# Altium PCB HallFM2_0.PcbDoc (part 2 of 2)
Units mm, origin at the board's own origin, x right, y up, seen from the top; angles counter-clockwise.
Board outline 120.05 x 92 mm, 4 copper layers (Top Layer, Signal Layer 1, Signal Layer 2, Bottom Layer), stack 0.971 mm thick; 216 components, 161 nets, 831 pads, 208 vias.
Unrouted connection lines stored in the file: 262.
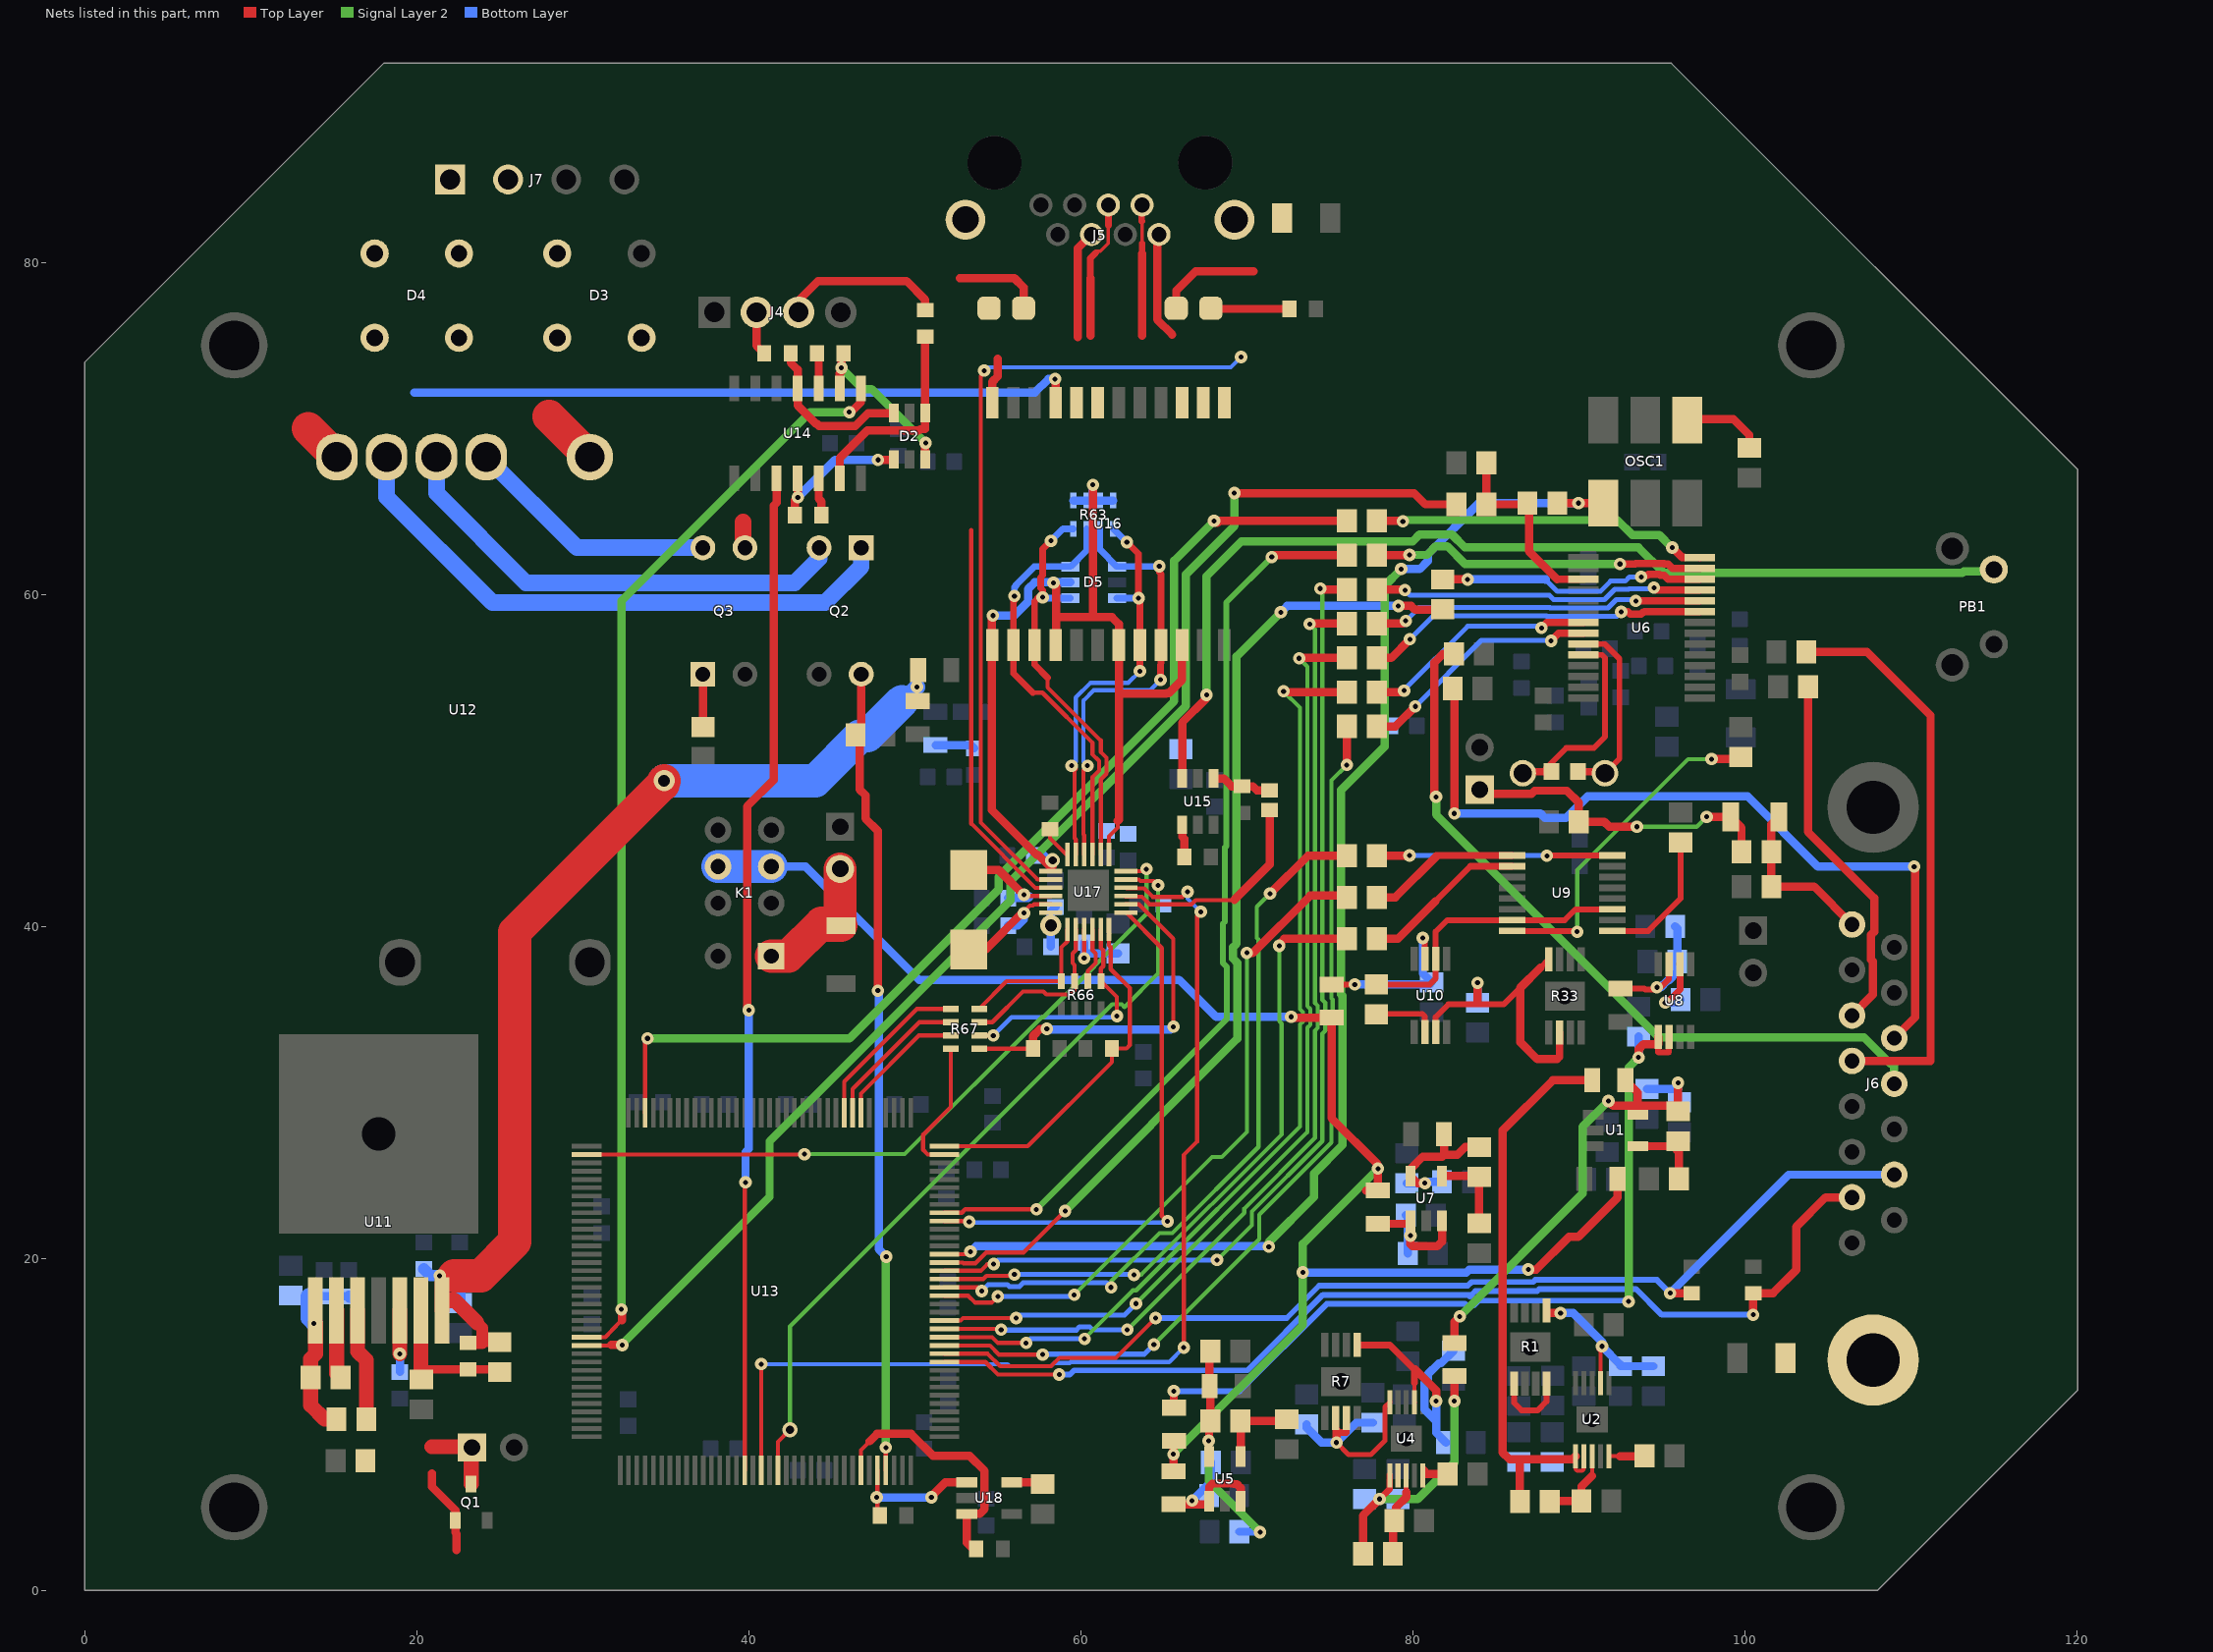
[diagram p3: the nets of this part, all layers, seen from the top]

## Via types
v1: diameter 0.75, hole 0.3, Top Layer to Bottom Layer, 199 vias
v2: diameter 0.9, hole 0.5, Top Layer to Bottom Layer, 7 vias
v3: diameter 1.27, hole 0.711, Top Layer to Bottom Layer, 2 vias

## Nets (pads, with @x,y where several pads share a name; then routed paths per layer and width w, separated by ;. In a path a pad name is that pad's centre, name@x,y a point inside that pad or via, vN(x,y) a via of type N, cw(c..) or ccw(c..) an arc to the next point about the centre after c; other vN are vias at no path point) (continued)
NetC6_2: C6.2 C7.2 L2.1 L4.1 R2.2 U1.5 | length 28.3
  Top Layer w0.5: L4.1@82.5,14.9 82.5,16.175 v1(82.825,16.5) ; v1(91.779,29.476) 92.055,29.2 93.555,29.2 ; L2.1@92.805,30.73 93.555,29.98 93.555,29.2 ; v1(95.975,30.575) 95.98,30.57 R2.2@95.98,28.855 95.635,29.2 93.555,29.2
  Signal Layer 2 w0.5: v1(82.825,16.5) 90.225,23.9 90.225,27.925 91.776,29.476 v1(91.779,29.476)
  Bottom Layer w0.5: C6.2@94.1,30.2 95.95,30.2 95.975,30.175
NetC9_2: C9.2 C10.2 L2.2 R3.1 U2.1 U2.2 | length 35.4
  Top Layer w0.25: U2.1@89.805,8.08 89.805,7.305 89.8,7.3 89.9,7.2 90.2,7.2 90.305,7.305 U2.2@90.305,8.08
  Top Layer w0.5: R3.1@86.455,5.355 86.455,7.855 86.5,7.9 ; U2.1@89.805,8.08 89.625,7.9 86.5,7.9 ; L2.2@90.805,30.73 88.43,30.73 85.405,27.705 85.405,8.305 85.81,7.9 86.5,7.9
NetC11_2: C11.2 C12.2 R1.1 U2.7 | length 10.4
  Top Layer w0.25: R1.1@88.055,16.855 R1.1@88.21,16.7 ; U2.7@91.305,12.48 91.305,14.395 91.2,14.5 v1(91.4,14.7)
  Top Layer w0.5: R1.1@88.21,16.7 v1(88.9,16.7)
  Bottom Layer w0.5: v1(88.9,16.7) 89.667,16.7 91.4,14.967 v1(91.4,14.7) 92.5,13.6 C12.2@92.5,13.5 C11.2@94.5,13.5
NetC13_1: C13.1 C14.1 R7.6 R7.7 U4.10 | length 13.3
  Top Layer w0.3: v1(75.4,8.9) 76.125,8.175 77.475,8.175 78.315,9.015 78.315,11.04 U4.10@78.605,11.33
  Top Layer w0.4: 75.4,9.6 75.495,9.505 76.005,9.505 R7.7@76.005,10.38
  Top Layer w0.5: v1(75.4,8.9) 75.4,9.6
  Bottom Layer w0.5: C13.1@73.6,10 73.6,9.8 74.5,8.9 v1(75.4,8.9) 76.6,10.1 C14.1@77.6,10.1
NetC16_2: 
NetC18_2: 
NetC21_2: C21.2 C22.2 L4.2 R9.1 U4.1 U4.2 | length 17.1
  Top Layer w0.4: v1(78,5.5) 78.605,6.105 U4.1@78.605,6.93
  Top Layer w0.5: R9.1@77,2.2 77,4.5 v1(78,5.5) ; v1(82.5,11.4) L4.2@82.5,12.9
  Signal Layer 2 w0.5: v1(78,5.5) 80.3,5.5 82.5,7.7 v1(82.5,11.4)
  Bottom Layer w0.5: v1(78,5.5) C21.2@79.1,5.5
NetC23_2: C23.2 C24.2 R7.1 U4.7 | length 16.6
  Top Layer w0.25: 80.1,12.5 80.1,11.335 U4.7@80.105,11.33
  Top Layer w0.4: R7.1@76.655,14.78 78.62,14.78 80.1,13.3 80.1,12.5
  Top Layer w0.5: 80.1,13.3 80.146,13.3 81.4,12.046 v1(81.4,11.4)
  Bottom Layer w0.5: v1(81.4,11.4) 81.4,10.2 ; C23.2@82,8.9 81.4,9.5 81.4,10.2 ; C24.2@82.455,14.43 81.705,13.68 81.569,13.68 80.9,13.011 80.9,12.7 80.7,12.5 80.7,10.9 81.4,10.2
NetC27_2: C27.2 C28.2 L5.2 U5.1 U5.3 | length 8.8
  Top Layer w0.5: L5.2@65.58,5.18 67.555,5.18 U5.1@67.73,5.355 67.73,6.23 67.93,6.43 69.166,6.43 69.196,6.4 69.4,6.4 69.63,6.17 U5.3@69.63,5.355
  Bottom Layer w0.5: v1(66.7,5.4) 67.83,6.53 C28.2@67.83,7.705
NetC29_2: C29.2 C30.2 L6.1 R12.2 U5.5 | length 13.9
  Top Layer w0.5: v1@67.73,9 67.73,10.13 R12.2@67.805,10.205 67.805,12.252 L6.1@67.755,12.302 67.755,14.245 67.6,14.4 C30.2@67.805,14.4 C30.2@67.825,14.42
  Signal Layer 2 w0.5: v1@67.7,9.1 v1(67.7,9) 67.7,6.6 v1(70.8,3.5)
  Bottom Layer w0.5: C29.2@69.555,3.53 70.77,3.53 v1(70.8,3.5)
NetC32_2: C32.2 C33.2 L7.2 U7.1 U7.3 | length 9.3
  Top Layer w0.5: L7.2@77.905,22.08 79.68,22.08 U7.1@79.855,22.255 v1(79.855,21.375) 79.855,20.845 79.975,20.725 81.475,20.725 81.755,21.005 U7.3@81.755,22.255
  Bottom Layer w0.5: C33.2@79.58,22.605 79.7,22.485 v1@79.7,21.22 ; C32.2@79.7,20.3 v1@79.7,21.22 ; v1(79.855,21.375) v1@79.7,21.22
NetC34_2: C34.2 C35.2 L8.1 R19.2 U7.5 | length 9.6
  Top Layer w0.5: v1(80.725,24.525) 80.285,24.525 U7.5@79.855,24.955 79.855,25.38 80.6,26.125 81.775,26.125 81.88,26.23 ; L8.1@81.88,27.48 81.88,26.23 ; R19.2@84,26.7 83.15,26.7 82.68,26.23 81.88,26.23
  Bottom Layer w0.5: C35.2@79.63,24.53 80.73,24.53 80.805,24.605 C34.2@81.755,24.605
NetC36_1: C36.1 J3.1 U6.10 | length 12.6
  Top Layer w0.35: C36.1@88.025,49.15 88.025,49.325 88.025,49.525 89.25,50.75 90.911,50.75 91.58,51.419 91.58,56.17 91.395,56.355 U6.10@90.28,56.355
  Top Layer w0.45: J3.1@86.625,49.225 86.725,49.325 88.025,49.325 C36.1@88.35,49.325
NetC36_2: C36.2 J2.1 U6.9 | length 11.5
  Top Layer w0.35: U6.9@90.28,57.005 91.57,57.005 92.45,56.125 92.45,50.1 J2.1@91.575,49.225
  Top Layer w0.45: C36.2@89.95,49.325 91.475,49.325 J2.1@91.575,49.225
NetC39_2: C39.2 L9.1 U10.7 | length 10.3
  Top Layer w0.35: L9.1@75.1,36.5 v1(76.5,36.5) ; v1(80.6,39.3) 80.73,39.17 U10.7@80.73,38.03
  Bottom Layer w0.5: v1(76.5,36.5) 81,36.5 C39.2@81.13,36.63 80.6,37.16 v1(80.6,39.3)
NetC41_2: C41.2 C42.2 L11.1 U8.7 | length 8.4
  Top Layer w0.35: L11.1@92.5,36.25 93.95,36.25 94,36.2 v1@94.7,36.2 ; v1@94.813,36.213 95.43,36.83 U8.7@95.43,37.73
  Bottom Layer w0.5: v1(94.7,36.325) 94.935,36.325 95.342,36.732 95.41,36.732 95.93,37.252 C41.2@95.93,37.88 95.93,39.88 C42.2@95.805,40.005
NetC43_2: C43.2 U8.6 | length 3.8
  Top Layer w0.4: v1(95.2,35.4) 95.3,35.4 96.105,36.205 96.105,37.705 U8.6@96.08,37.73
  Bottom Layer w0.5: v1(95.2,35.4) 95.946,35.4 C43.2@96.128,35.582
NetC44_2: C44.2 L10.2 U8.1 U8.2 | length 51.4
  Top Layer w0.35: U8.1@94.78,32.9 94.78,32.42 94.8,32.4 95.4,32.4 95.43,32.43 U8.2@95.43,33.33
  Top Layer w0.5: L10.2@65.6,11 v1(65.6,12) ; v1(93.6,32.1) 93.6,32.6 93.9,32.9 94.78,32.9 U8.1@94.78,33.33
  Signal Layer 2 w0.35: v1(65.6,12) v1@65.6,12.2
  Signal Layer 2 w0.5: v1(93,17.4) 93,31.5 v1(93.6,32.1)
  Bottom Layer w0.35: v1(65.6,12) 69.565,12 74.815,17.25 83.136,17.25 83.222,17.163 83.678,17.163 83.965,17.45 92.95,17.45 v1(93,17.4)
  Bottom Layer w0.5: v1(93.6,32.1) 93.6,33.35 C44.2@93.605,33.355
NetC46_2: C46.2 R33.2 R33.8 U10.3 | length 19.2
  Top Layer w0.35: U10.3@81.38,33.63 81.38,34.54 82.14,35.3 83.807,35.3 85.475,35.3 86.475,36.3 ; 87.675,37.5 R33.8@88.18,38.005 ; 88.7,32 88.83,32.13 ; R33.2@88.8,33.635 R33.2@88.83,33.605
  Top Layer w0.45: 88.83,32.13 R33.2@88.83,33.605
  Top Layer w0.5: 83.9,35.393 v1(83.9,36.6) ; 87.675,37.5 86.475,36.3 86.475,33.025 87.5,32 88.7,32
  Bottom Layer w0.5: C46.2@83.9,35.4 v1(83.9,36.6)
NetC56_2: C56.2 J6.17
NetC57_2: C57.2 J5.13 J5.14 | length 0.5
  Top Layer w0.5: J5.13@53.043,82.575 J5.13@53.047,82.571 ; J5.14@69.253,82.571 J5.14@69.253,83.053
NetC58_2: C58.2 C59.2 C62.2 R43.1 R44.1 U11.1 | length 11.2
  Top Layer w0.9: U11.1@13.895,16.075 13.895,14.245 13.6,13.95 R43.1@13.6,12.825 13.6,11.15 14.445,10.305 R44.1@15.155,10.305
  Bottom Layer w0.5: 13.5,17.705 C59.2@14.405,17.705 C58.2@15.905,17.705
  Bottom Layer w0.7: C58.2@15.905,17.705 C58.2@15.955,17.655
  Bottom Layer w1: 13.5,17.705 13.5,16.4 13.825,16.075 v1(13.8,16.075)
NetC60_2: C60.2 C61.2 C64.2 C65.2 L12.1 L13.1 R45.1 U11.7 | length 66.2
  Top Layer w0.5: v1(21.375,18.955) 21.38,18.95 21.9,18.95 ; 23.95,14.9 24.95,14.9 C64.2@25,14.95
  Top Layer w0.7: R45.1@23.075,14.9 23.95,14.9 23.95,15.8 23.625,16.125
  Top Layer w0.9: U11.7@21.515,16.87 U11.7@21.515,18.69 ; 22.075,17.43 22.075,17.5 22.25,17.5 23.625,16.125
  Top Layer w1: 21.9,18.95 22.25,18.95
  Top Layer w2: 22.25,18.95 23.85,18.95 25.9,21 25.9,39.65 34.8,48.55 34.85,48.55 34.85,48.725 v3(34.9,48.775)
  Bottom Layer w0.7: C61.2@20.425,19.35 20.82,18.955 v1(21.375,18.955) 22.495,18.955 22.575,18.875 ; C60.2@22.575,19.35 22.575,18.875 ; C65.2@22.625,17.3 22.575,17.35 22.575,18.875
  Bottom Layer w1: 49.225,53.55 49.25,53.55 v1(50.125,54.425)
  Bottom Layer w2: v3(34.9,48.775) 44,48.775 46.7,51.475 47.15,51.475 49.225,53.55
NetC64_1: C64.1 R45.2 R47.1 U11.6 | length 9
  Top Layer w0.5: R47.1@20.275,12.7 20.245,12.73 20.245,13.25 20.295,13.3 R45.2@23.075,13.3 24.85,13.3 C64.1@25,13.15
  Top Layer w0.9: R47.1@20.245,13.25 U11.6@20.245,16.87
NetC66_2: C66.2 U11.5 | length 3.7
  Top Layer w0.9: v1(18.975,14.25) U11.5@18.975,16.87
  Bottom Layer w0.5: C66.2@18.975,13.15 v1(18.975,14.25)
NetC80_2: C80.2 C84.2 C86.2 U17.9 | length 4.5
  Top Layer w0.25: v1(60.2,38.075) U17.9@60.2,39.82
  Bottom Layer w0.5: v1(60.2,38.075) 60.2,38.375 C86.2@62.25,38.375 ; C80.2@60.2,38.575 C80.2@60.2,39.02
NetC81_2: C81.2 C83.2 U17.6 | length 3.5
  Top Layer w0.25: v3(58.195,40.055) U17.6@58.195,40.825
  Bottom Layer w0.5: C83.2@58.2,38.775 58.2,40.036 58.289,40.125 58.289,40.149 v3(58.195,40.055) 58.195,40.895 C81.2@58.475,41.175
NetC87_1: C87.1 U17.4 X1.1 | length 7
  Top Layer w0.25: v1@56.875,41.825 U17.4@58.195,41.825
  Top Layer w0.5: X1.1@53.25,43.4 55.05,43.4 56.548,41.902 v1(56.577,41.902)
  Bottom Layer w0.5: C87.1@55.625,41.7 56.825,41.7 56.925,41.8 56.679,41.8 v1(56.577,41.902)
NetC88_1: C88.1 U17.5 X1.2 | length 7.2
  Top Layer w0.25: v1@56.75,41.075 56.925,41.25 57.113,41.25 57.188,41.325 U17.5@58.195,41.325
  Top Layer w0.5: X1.2@53.25,38.6 54.25,38.6 v1@56.512,40.862
  Bottom Layer w0.5: C88.1@55.625,40.05 56.2,40.05 56.55,40.4 56.55,40.775 v1(56.575,40.8)
NetD1_1: D1.1 J8.2 K1.1 | length 8.5
  Top Layer w2: K1.1@41.35,38.2 42.375,38.2 44.375,40.2 44.525,40.05 D1.1@45.55,40.05 45.5,40.1 J8.2@45.5,43.46
NetD2_1: D2.1 R58.1 U14.13 | length 12.7
  Top Layer w0.5: U14.13@45.48,67 45.48,68.22 47.138,69.878 50.237,69.878 50.308,69.95 50.625,69.95 D2.1@50.625,70.925 50.625,75.475 R58.1@50.575,75.525
NetD2_3: D2.3 R53.1 U14.4 | length 9.9
  Top Layer w0.5: R53.1@42.525,74.525 42.525,73.95 42.94,73.535 U14.4@42.94,72.4 42.94,71.385 44.075,70.25 44.125,70.25 44.222,70.153 46.424,70.153 47.195,70.925 D2.3@48.725,70.925
NetD2_4: D2.4 R57.1 U14.11 | length 9
  Top Layer w0.5: R57.1@42.775,64.775 42.775,65.675 v1(42.95,65.85) 42.95,66.99 U14.11@42.94,67 ; v1(47.777,68.103) 48.703,68.103 D2.4@48.725,68.125
  Bottom Layer w0.5: v1(42.95,65.85) 45.203,68.103 v1(47.777,68.103)
NetD2_6: D2.6 R52.1 U14.2 | length 10.2
  Top Layer w0.5: U14.2@45.48,72.4 45.45,72.43 45.45,73.3 45.575,73.425 v1(45.575,73.65) 45.575,74.4 R52.1@45.7,74.525 ; D2.6@50.625,68.125 50.625,69.075 50.625,69.1 v1(50.65,69.125)
  Signal Layer 2 w0.5: v1(45.575,73.65) 46.85,72.375 47.4,72.375 v1(50.65,69.125)
NetD3_1: D3.1 D4.1 U12.1 | length 3.5
  Top Layer w2: 27.975,70.715 U12.1@30.42,68.27
NetD3_2: D3.2 U16.24 | length 2.8
  Top Layer w0.5: U16.24@54.67,71.555 54.67,72.805 55.002,73.137 55.002,74.191
NetD3_3: D3.3 D4.3 Q3.3 U12.5 | length 4
  Top Layer w1: 39.65,64.35 39.65,62.93 Q3.3@39.77,62.81
  Top Layer w2: 13.46,69.99 U12.5@15.18,68.27
NetD4_2: D4.2 U16.15
NetD4_4: D4.4 U16.21 | length 40.4
  Top Layer w0.5: U16.21@58.48,71.555 v1@58.48,72.975
  Bottom Layer w0.5: 19.84,72.16 57.235,72.16 58.05,72.975 v1(58.45,72.975)
NetJ1_1: J1.1 R6.1 R8.1 R30.1 | length 19.5
  Top Layer w0.5: J1.1@84.025,48.235 84.285,47.975 87.143,47.975 87.343,48.175 89.275,48.175 90,47.45 R30.1@90,46.3 91.533,46.3 91.833,46 v1(93.5,46) ; v1(97.7,46.6) R8.1@99.15,46.6 99.8,45.95 R6.1@99.8,44.5
  Signal Layer 2 w0.25: v1(93.5,46) 97.1,46 v1(97.7,46.6)
NetJ4_2: J4.2 R53.2 | length 2.7
  Top Layer w0.5: J4.2@40.46,76.995 40.46,74.99 R53.2@40.925,74.525
NetJ4_3: J4.3 R58.2 | length 9.9
  Top Layer w0.5: J4.3@43,77 43,77.7 44.175,78.875 49.5,78.875 50.625,77.75 R58.2@50.625,77.125
NetJ5_4: J5.4 U16.20 | length 6.5
  Top Layer w0.5: 59.825,75.5 59.825,80.865 J5.4@60.642,81.682
NetJ5_5: J5.5 U16.19 | length 8.4
  Top Layer w0.2: 60.907,80.682 61.182,80.682 61.642,81.142 61.642,82.217 61.658,82.233
  Top Layer w0.4: 60.575,79.05 60.575,80.25 60.907,80.582 ; 61.658,82.233 J5.5@61.658,83.46
  Top Layer w0.5: 60.575,75.6 60.575,79.05
NetJ5_7: J5.7 U16.14 | length 7.9
  Top Layer w0.2: J5.7@63.66,83.43 J5.7@63.69,83.46 ; 63.686,81.139 63.686,82.475
  Top Layer w0.4: J5.7@63.66,83.43 63.66,82.501 63.686,82.475 ; 63.686,80.539 63.686,81.139
  Top Layer w0.5: 63.686,75.6 63.686,80.539
NetJ5_8: J5.8 U16.13 | length 6.4
  Top Layer w0.5: J5.8@64.706,81.682 64.597,81.573 64.597,76.556 65.502,75.652
NetJ5_9: J5.9 U17.3 | length 24.1
  Top Layer w0.25: 53.4,63.875 53.4,46.184 57.259,42.325 U17.3@58.195,42.325
NetJ5_10: J5.10 | length 5.3
  Top Layer w0.5: 52.7,79.05 56,79.05 56.55,78.5 56.55,77.24 J5.10@56.553,77.237
NetJ5_11: J5.11 R69.1 U17.2 | length 53.5
  Top Layer w0.25: v1(54.177,73.479) 54.177,73.372 53.965,73.16 53.965,46.255 57.395,42.825 U17.2@58.195,42.825
  Top Layer w0.5: J5.11@67.83,77.237 67.85,77.217 67.867,77.2 R69.1@72.575,77.2
  Bottom Layer w0.25: v1(54.177,73.479) 54.374,73.675 69.025,73.675 v1(69.65,74.3)
NetJ5_12: J5.12 | length 6.2
  Top Layer w0.5: J5.12@65.747,77.237 65.747,78.297 66.925,79.475 70.4,79.475
NetJ6_1: J6.1 R6.2 R8.2 R29.1 | length 10.2
  Top Layer w0.5: R8.2@102.05,46.6 101.6,46.15 R6.2@101.6,44.5 R29.1@101.6,42.4 104.17,42.4 J6.1@106.46,40.11
NetJ7_1: J7.1 J7.2 J9.1 Q1.3 | length 4.7
  Top Layer w0.9: 20.9,8.65 23.27,8.65 J9.1@23.275,8.645 ; Q1.3@23.275,6.4 J9.1@23.275,8.645 ; J9.1@23.315,8.605 J9.1@23.275,8.645
NetJ10_1: J10.1 U17.15 | length 13.2
  Top Layer w0.25: U17.15@62.705,41.825 62.705,41.79 63.676,41.79 64.139,41.327 66.668,41.327 66.916,41.575 67.504,41.575 69.225,41.575 69.25,41.6
  Top Layer w0.5: 69.25,41.6 71.375,43.725 J10.1@71.375,47
NetK1_3: K1.3 K1.6 L1.1 L5.1 L7.1 L9.2 L10.1 | length 99.1
  Top Layer w0.5: L5.1@65.58,7.18 v1(65.58,8.2) L10.1@65.58,8.98 ; v1(72.675,34.55) 72.675,34.5 L9.2@75.1,34.5 75.1,28.45 77.875,25.675 77.875,25.425 v1(77.9,25.4) 77.9,24.085 L7.1@77.905,24.08 77.18,24.08 ; v1(86.95,19.325) 87.435,19.325 89.41,21.3 89.975,21.3 92.33,23.655 L1.1@92.33,24.78
  Signal Layer 2 w0.5: v1(65.58,8.2) 73.375,15.995 v1(73.375,19.15) 73.375,20.875 v1(77.9,25.4)
  Bottom Layer w0.5: K1.3@41.35,43.6 43.425,43.6 50.248,36.777 65.923,36.777 68.15,34.55 v1(72.675,34.55) ; v1(73.375,19.15) 83.225,19.15 83.4,19.325 v1(86.95,19.325)
  Bottom Layer w2: K1.6@38.15,43.6 K1.3@41.35,43.6
NetOSC1_1: OSC1.1 R56.2 | length 4.9
  Top Layer w0.5: OSC1.1@96.54,70.5 96.59,70.55 99.325,70.55 100.275,69.6 R56.2@100.275,68.825
NetOSC1_4: OSC1.4 R54.1 U13.23 | length 79.3
  Top Layer w0.25: U13.23@51.77,20.25 53.201,20.25 v1(53.352,20.401)
  Top Layer w0.5: R54.1@88.7,65.5 v1(89.975,65.5) OSC1.4@91.46,65.5
  Signal Layer 2 w0.5: v1(71.325,20.7) 71.325,20.975 74.05,23.7 74.05,25.117 75.75,26.817 75.75,35.824 75.675,35.899 75.675,48.208 78.303,50.837 78.303,60.528 v1(79.3,61.525)
  Bottom Layer w0.5: v1(53.352,20.401) 53.676,20.725 71.3,20.725 v1(71.325,20.7) ; v1(79.3,61.525) 80.417,61.525 80.9,62.008 80.9,62.416 83.984,65.5 v1(89.975,65.5)
NetPB1_1: PB1.1 U15.3 | length 62.4
  Top Layer w0.5: U15.3@66.105,48.913 66.105,52.28 67.575,53.75 v1(67.575,53.95)
  Signal Layer 2 w0.5: v1(67.575,53.95) 67.575,61.1 69.678,63.203 79.997,63.203 80.397,63.603 82.36,63.603 83.135,62.828 93.597,62.828 95.125,61.3 113.101,61.3 113.176,61.375 115,61.375 PB1.1@115,61.5
NetQ1_1: Q1.1 | length 5.2
  Top Layer w0.5: 20.9,7.05 20.9,6.25 22.325,4.825 Q1.1@22.325,4.2 22.325,3.475 22.4,3.4 22.4,2.425
NetQ2_1: Q2.1 U12.4 | length 35.7
  Bottom Layer w1: U12.4@18.18,68.27 18.18,65.87 24.55,59.5 44.6,59.5 46.77,61.67 Q2.1@46.77,62.81
NetQ2_2: Q2.2 U12.3 | length 28.7
  Bottom Layer w1: U12.3@21.18,68.27 21.18,66.095 26.575,60.7 42.75,60.7 44.23,62.18 Q2.2@44.23,62.81
NetQ2_4: Q2.4 R51.1 U13.141 | length 48.7
  Top Layer w0.25: U13.141@48.25,7.23 48.25,8.375 v1(48.25,8.6)
  Top Layer w0.5: Q2.4@46.77,55.19 46.77,51.545 46.725,51.5 46.675,51.45 46.675,48.25 47.025,47.9 47.025,46.5 47.775,45.75 v1(47.775,36.125)
  Signal Layer 2 w0.5: v1(48.25,8.6) 48.25,20.075 v1(48.275,20.1)
  Bottom Layer w0.5: v1(47.775,36.125) 47.83,36.07 47.83,20.545 v1(48.275,20.1)
NetQ3_1: Q3.1 R50.1 | length 3.2
  Top Layer w0.5: Q3.1@37.23,55.19 37.23,52.02 R50.1@37.25,52
NetQ3_4: Q3.4 U12.2 | length 15.3
  Bottom Layer w1: U12.2@24.18,68.27 29.64,62.81 Q3.4@37.23,62.81
NetR1_5: R1.5 R1.8 | length 4.6
  Top Layer w0.35: R1.5@86.105,12.455 86.105,11.295 86.55,10.85 87.528,10.85 88.055,11.377 R1.8@88.055,12.455
NetR2_1: R2.1 R4.2 U1.4 | length 4.7
  Top Layer w0.5: U1.4@93.555,26.755 R2.1@95.68,26.755 ; R2.1@95.98,27.055 R2.1@95.68,26.755 ; R4.2@96.03,24.78 96.03,26.405 R2.1@95.68,26.755
NetR3_2: R3.2 R34.2 U2.3 | length 4.9
  Top Layer w0.25: 90.8,6.9 90.805,6.905 U2.3@90.805,8.08
  Top Layer w0.5: R3.2@88.255,5.355 88.28,5.38 R34.2@90.155,5.38 90.155,6.255 90.8,6.9
NetR5_2: R5.2 U2.5 | length 2.2
  Top Layer w0.25: U2.5@91.805,8.08 92.48,8.08
  Top Layer w0.5: 92.48,8.08 93.93,8.08 R5.2@93.955,8.105
NetR9_2: R9.2 R72.2 U4.3 | length 5
  Top Layer w0.3: 79.605,6.005 U4.3@79.605,6.93
  Top Layer w0.5: R9.2@78.8,2.2 78.8,4.125 R72.2@78.88,4.205 79,4.325 79,5 79.605,5.605 79.605,5.919
NetR10_2: R10.2 U4.5 | length 2.2
  Top Layer w0.3: U4.5@80.605,6.93 80.605,7.4 80.802,7.203 80.802,6.998
  Top Layer w0.5: 80.802,6.998 R10.2@82.098,6.998
NetR11_1: R11.1 U18.5 | length 1.9
  Top Layer w0.5: U18.5@55.83,6.505 57.595,6.505 R11.1@57.7,6.4
NetR12_1: R12.1 R14.2 U5.4 | length 4.8
  Top Layer w0.5: R12.1@69.605,10.205 R14.2@72.305,10.205 ; U5.4@69.63,8.055 R12.1@69.63,10.18
NetR13_1: R13.1 U6.24 | length 20.8
  Top Layer w0.35: v1@93.425,59.776 v1@93.676,59.525 ; v1@93.429,59.772 v1(93.429,59.603) v1@93.431,59.605
  Top Layer w0.45: v1@93.431,59.605 94.189,59.605 94.194,59.6 94.856,59.6 94.861,59.605 U6.24@97.28,59.605
  Top Layer w0.5: R13.1@77.825,58.237 79.412,58.237 v1(79.575,58.4)
  Bottom Layer w0.3: v1(79.575,58.4) 80.375,59.2 88.257,59.2 88.277,59.18 91.75,59.18 92.255,59.685 v1@93.373,59.685
  Bottom Layer w0.4: v1@93.373,59.685 93.425,59.737 93.429,59.733 v1(93.429,59.603)
NetR13_2: R13.2 U13.14 | length 60.9
  Top Layer w0.25: U13.14@51.77,15.75 55.15,15.75 v1(55.2,15.7)
  Top Layer w0.5: v1(73.788,58.213) 73.788,58.237 R13.2@76.025,58.237